# Allegro board pc065a_toplevel_43_allrouted.brd (continued)
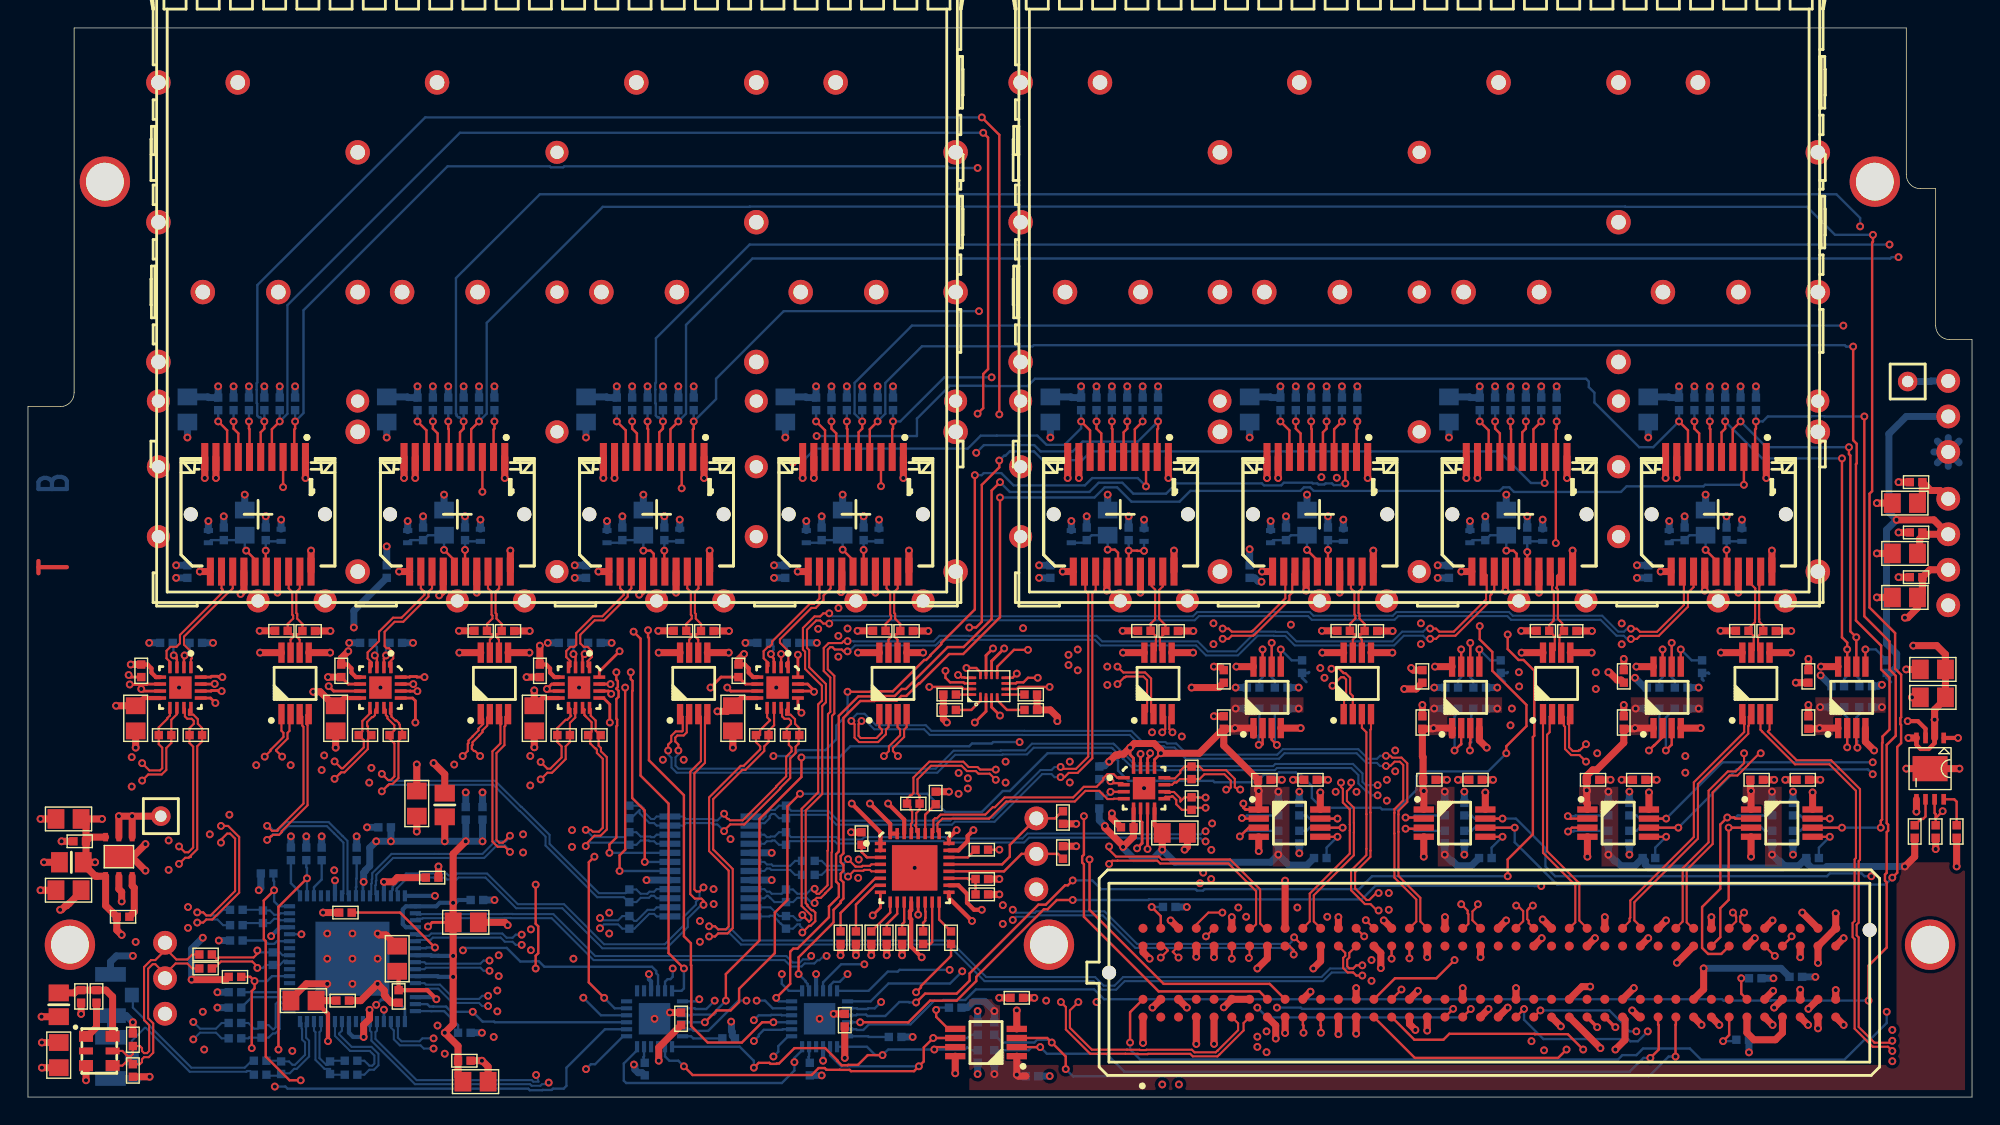
[diagram p0: board, top side]
## Routing (per net, layer and track width the routed paths; a pad name or vN(x,y) marks a point on that pad's centre or on a via; arc(x,y) is an arc through that point) (continued)
REC_CLK_FPGA_N: length 18.9
  TOP w0.15: v1(85.67,22) 85.85,22 86,22.15 86,22.64 85.54,23.1 84.11,23.1 83.76,22.75 R97.1 82.36,22.75 82.12,22.51 81.97,22.51 81.81,22.35 IC13.11 ; J10.H5 v1(84.23,11.5)
  L4 w0.15: v1(85.67,22) 85.67,21.83 85.97,21.52 85.97,19.14 85.67,18.84 85.67,15.34 83.89,13.55 83.89,12.97 84.16,12.7 84.5,12.42 84.59,11.89 84.34,11.52 v1(84.23,11.5)
REC_CLK_FPGA_P: length 20.9
  TOP w0.15: J10.H4 83.53,12.34 84.4,13.2 v1(85.4,13.2) ; v1(86.68,22) 86.6,21.98 86.29,22.17 86.29,22.76 85.66,23.39 84.03,23.39 83.77,23.65 R97.2 82.7,23.65 82.39,23.34 82.39,23.19 82,22.8 81.3,22.8 IC13.12
  L4 w0.15: v1(86.68,22) 86.28,21.61 86.28,19.01 85.98,18.71 85.98,15.21 84.2,13.42 84.2,13.1 84.37,12.93 84.67,12.68 84.7,12.7 84.83,12.73 85.12,13.15 v1(85.4,13.2)
RST_I2C_B: length 54.8
  TOP w0.17: v1(67.1,30.7) 67.8,30.7 68.1,30.4 IC21.12
  L4 w0.17: v1(67.1,30.7) 67.53,30.27 67.53,27.57 66.47,26.52 66.47,26.38 62.88,22.77 62.88,16.18 63.3,15.76 63.3,13.44 63.12,13.27 63.12,12.83 63.3,12.66 63.3,10.2 62.5,9.4 62.5,7.74 61.88,7.12 61.88,6.67 58.53,3.33 58.18,3.33 57.71,2.85 57.34,2.85 57.07,3.12 56.63,3.12 56.36,2.85 55.15,2.85 v1(54.8,2.5)
  BOTTOM w0.17: IC10.24 55.35,3.35 54.8,2.8 v1(54.8,2.5) 54.8,1.9 53.91,1.01 42.77,1.01 42.6,1.18 42.6,2.4 43.55,3.35 IC23.24
RST_I2C_B_CVCC: length 42.3
  TOP w0.17: IC21.9 69.3,30.8 70.5,32 v1(71.5,32) ; J10.D9 88.78,8.1 81.2,8.1 75.9,13.4 v1(75.9,17)
  L4 w0.17: v1(75.9,17) 75.9,17.49 75.74,17.65 75.74,17.9 74.42,19.22 74.42,21.7 75.01,22.29 75.01,24.59 70.17,29.42 70.17,30.52 70.7,31.04 70.7,31.83 70.87,32 v1(71.5,32)
SFP_FAULT<0>: length 128.7
  TOP w0.17: v1(19.1,48.35) 19.1,47.83 19.04,47.77 J7.2
  L4 w0.17: v1(59.8,9.5) 59.8,9.9 59.77,9.93 59.77,10.36 60,10.59 60,12.66 59.88,12.78 59.88,13.22 60,13.34 60,19.8 60.98,20.77 60.98,21.22 62.22,22.46 62.22,23.05 63.9,24.73 63.9,30 64.22,30.32 64.22,31.12 64.9,31.8 64.9,34.8 65.2,35.1 65.2,62.98 67.9,65.68 v1(67.9,66.48)
  BOTTOM w0.17: IC10.10 56.85,8.21 58.14,9.5 v1(59.8,9.5) ; R24.2 v1(19.1,48.35) 19.7,48.95 19.7,56.3 30,66.6 37.31,66.6 37.38,66.53 38.27,66.53 38.34,66.6 65.74,66.6 65.86,66.48 v1(67.9,66.48)
SFP_FAULT<1>: length 66.2
  TOP w0.17: v1(33.35,48.35) 33.35,47.83 33.29,47.77 J12.2
  L3 w0.17: v1(39,9.9) 55,9.9 55.5,9.4 58,9.4 v1(58.6,8.8)
  L4 w0.17: v1(39,9.9) 39,10.39 38.9,10.49 38.9,11.6 33.35,17.15 33.35,17.94 33.36,17.95 33.36,22.15 33.35,22.16 v1(33.35,48.35)
  BOTTOM w0.17: IC10.11 57.35,8 57.6,8.25 58.05,8.25 v1(58.6,8.8) ; R36.2 v1(33.35,48.35)
SFP_FAULT<2>: length 86.7
  TOP w0.17: J16.2 47.54,47.77 47.6,47.83 v1(47.6,48.35)
  L4 w0.17: v1(65.9,9.1) 66.25,9.45 66.46,9.45 66.64,9.63 66.64,16.99 65,18.64 65,22.85 66.19,24.05 66.25,24.05 68.4,26.2 68.4,31.49 68.14,31.75 68.14,32.45 68.4,32.71 68.4,48.66 68.42,48.68 68.42,49.12 68.4,49.14 68.4,50.2 68.1,50.5 68.1,55.64 68,55.74 v1(68,56.23)
  BOTTOM w0.17: v1(65.9,9.1) 62.32,9.1 62.19,8.97 61.48,8.97 60.1,7.6 IC10.12 ; v1(68,56.23) 54.03,56.23 49.2,51.4 49.2,49.95 v1(47.6,48.35) R44.2
SFP_FAULT<3>: length 65.8
  TOP w0.17: J20.2 61.79,47.77 61.85,47.83 v1(61.85,48.35)
  L4 w0.17: v1(66.8,9) 66.97,9.17 66.97,17.13 65.33,18.77 65.33,22.72 66.32,23.71 66.38,23.71 68.73,26.06 68.73,31.63 68.47,31.88 68.47,32.32 68.73,32.57 68.73,34.07 68.9,34.24 v1(68.9,51.5)
  BOTTOM w0.17: v1(68.9,51.5) 65.52,51.5 62.37,48.35 v1(61.85,48.35) R52.2 ; v1(66.8,9) 65.92,8.12 61.52,8.12 60.25,6.85 IC10.13
SFP_FAULT<4>: length 63.1
  TOP w0.17: v1(80.8,48.35) 80.8,47.83 80.74,47.77 J36.2
  L4 w0.17: v1(67.8,46.1) 67.1,45.4 67.1,42.5 67.5,42.1 67.5,35.6 65.23,33.33 65.23,31.07 64.78,30.62 64.78,30.18 64.97,29.99 64.97,25.34 62.55,22.91 62.55,22.05 62.02,21.52 62.02,14.82 60.88,13.68 60.88,13.27 60.92,13.22 60.92,12.78 60.88,12.73 60.88,9.93 61,9.8 v1(61,6.8)
  BOTTOM w0.17: v1(67.8,46.1) 68.35,46.65 71.95,46.65 72.4,46.2 74.7,46.2 75.4,46.9 79.35,46.9 v1(80.8,48.35) R125.2 ; IC10.14 59.27,6.35 59.32,6.3 60.03,6.3 60.08,6.35 60.55,6.35 v1(61,6.8)
SFP_FAULT<5>: length 97.4
  TOP w0.17: J32.2 94.99,47.77 95.05,47.83 v1(95.05,48.35) ; v1(105.8,15.8) 105.8,17 107.6,18.8 107.6,25.76 107.7,25.86 107.7,30.51 106.93,31.27 106.58,31.27 105.8,32.05 v1(105.8,33.1) ; v1(63.5,6.77) 63.7,6.98 63.72,6.98 64.14,7.4 66.4,7.4 67.33,8.32 67.33,8.84 72.25,13.77 72.76,13.77 74.15,15.15 74.35,15.15 v1(74.7,15.5)
  L4 w0.17: v1(105.8,33.1) 105.31,33.1 105.21,33 103.51,33 99.98,36.53 99.03,36.53 98.41,37.16 98.41,38.04 98.7,38.34 98.7,45.8 96.15,48.35 v1(95.05,48.35)
  BOTTOM w0.17: v1(105.8,15.8) 96.1,15.8 95.17,14.88 84.12,14.88 84.02,14.78 83.58,14.78 83.48,14.88 76.72,14.88 76.1,15.5 v1(74.7,15.5) ; R117.2 v1(95.05,48.35) ; v1(63.5,6.77) 63.01,6.77 62.98,6.8 62.3,6.8 61.3,5.8 60.02,5.8 59.92,5.9 59.27,5.9 59.22,5.85 IC10.15
SFP_FAULT<6>: length 88.3
  TOP w0.17: v1(109.3,48.35) 109.3,47.83 109.24,47.77 J28.2 v1(109.24,39.64) ; v1(74.7,14.1) 73.57,14.1 72.9,13.44 72.64,13.44 67.8,8.6 67.8,8.3 66.4,6.9 64.5,6.9 62.95,5.35 v1(59.5,5.35)
  L4 w0.17: v1(108.2,15.1) 108.2,22.9 109.24,23.94 v1(109.24,39.64)
  BOTTOM w0.17: v1(108.2,15.1) 107.71,15.1 107.68,15.12 96.35,15.12 95.37,14.14 80.15,14.14 80.1,14.1 v1(74.7,14.1) ; R109.2 v1(109.3,48.35) ; IC10.16 v1(59.5,5.35)
SFP_FAULT<7>: length 129.6
  TOP w0.17: v1(123.55,48.35) 123.55,47.83 123.49,47.77 J24.2 ; v1(131.6,6.9) 131.6,9.4 132.9,10.7 132.9,15.36 132.78,15.48 132.78,15.92 132.9,16.04 132.9,18.96 133,19.06 133,19.49 132.9,19.59 132.9,25.2 133.54,25.84 133.54,30.14 133.1,30.58 133.1,32.6 131.3,34.4 v1(131.3,48.7)
  BOTTOM w0.17: IC10.17 59.22,4.85 59.27,4.8 59.73,4.8 60.13,5.2 63.1,5.2 64.8,6.9 65.4,6.9 65.45,6.95 67.01,6.95 67.77,7.7 76.24,7.7 76.94,7 121.13,7 121.23,6.9 124.61,6.9 124.63,6.93 125.07,6.93 125.09,6.9 v1(131.6,6.9) ; v1(131.3,48.7) 128.46,48.7 128.44,48.72 127.51,48.72 127.49,48.7 124.4,48.7 124.04,48.35 v1(123.55,48.35) R101.2
SFP_I2C_SCL<0>: length 149.1
  TOP w0.17: v1(68.2,70.1) 69.45,68.85 v1(69.45,48.85) ; v1(16.9,48.35) 16.9,47.83 16.64,47.57 J7.5 ; IC12.7 v1(93.63,19.93)
  L3 w0.17: v1(69.45,48.85) 70.48,47.82 83.86,47.82 84.76,48.72 88.12,48.72 v1(92.48,44.36)
  L4 w0.17: v1(93.63,19.93) 94.42,19.93 95.6,21.1 95.6,37.9 95.2,38.3 94.6,38.3 93.53,39.38 93.53,42.91 93.27,43.16 93.27,43.43 92.83,43.87 92.83,44.01 v1(92.48,44.36)
  BOTTOM w0.17: R27.1 v1(16.9,48.35) 16.61,48.64 16.51,48.64 16.39,48.76 16.39,49.62 16.36,49.65 16.36,50.62 16.35,50.63 16.35,51.08 16.4,51.13 16.4,58.1 28.4,70.1 v1(68.2,70.1) ; R140.1 91.41,20.15 91.64,19.93 v1(93.63,19.93)
SFP_I2C_SCL<1>: length 198.9
  TOP w0.17: IC14.7 v1(105.43,19.93) ; v1(31.15,48.35) 31.15,47.83 30.89,47.57 J12.5
  L4 w0.17: v1(131.8,15.8) 131.8,16.69 131.28,17.22 131.28,23.12 131.38,23.22 131.38,29.38 131.7,29.7 131.7,30.27 132,30.57 132,32.5 131.2,33.3 131.2,48.06 130.78,48.48 130.78,51.58 131,51.8 131,53.46 131.03,53.48 131.03,53.92 131,53.94 v1(131,62.3)
  BOTTOM w0.17: v1(131,62.3) 131,62.9 129.3,64.6 36.6,64.6 30.6,58.6 30.6,48.9 30.64,48.86 30.64,48.76 30.76,48.64 30.86,48.64 v1(31.15,48.35) R39.1 ; R145.1 103.21,20.15 103.44,19.93 v1(105.43,19.93) 106.39,19.93 108.5,17.82 108.5,16.5 109.2,15.8 128.63,15.8 128.83,16.01 131.1,16.01 131.31,15.8 v1(131.8,15.8)
SFP_I2C_SCL<2>: length 160.1
  TOP w0.17: v1(45.4,48.35) 45.4,47.83 45.14,47.57 J16.5 ; IC15.7 v1(117.13,19.93)
  L4 w0.17: v1(133.1,61) 133.1,55.2 131.67,53.77 131.67,49.07 131.82,48.92 131.82,48.48 131.67,48.33 131.67,33.5 132.4,32.77 132.4,30.5 132.03,30.13 132.03,27.17 132.5,26.7 132.5,25.04 132.53,25.02 132.53,24.09 132.39,23.95 v1(131.9,23.95)
  BOTTOM w0.17: v1(131.9,23.95) 121.16,23.95 v1(117.13,19.93) 115.24,19.93 115.01,20.15 R150.1 ; R47.1 v1(45.4,48.35) 45.11,48.64 45.01,48.64 44.89,48.76 44.89,49.62 44.85,49.65 44.85,50.62 44.85,50.63 44.85,51.08 44.9,51.13 44.9,54.3 51.6,61 v1(133.1,61)
SFP_I2C_SCL<3>: length 118.7
  TOP w0.17: IC16.7 v1(128.83,19.93) ; v1(59.65,48.35) 59.65,47.83 59.39,47.57 J20.5
  L4 w0.17: v1(129.8,55.2) 129.1,54.5 129.1,42.1 129.4,41.8 129.4,20.5 v1(128.83,19.93)
  BOTTOM w0.17: v1(128.83,19.93) 126.94,19.93 126.71,20.15 R155.1 ; R55.1 v1(59.65,48.35) 59.1,48.9 59.1,51.1 63.2,55.2 v1(129.8,55.2)
SFP_I2C_SCL<4>: length 27.8
  TOP w0.17: 88.28,30.8 v1(88.28,32.03) ; v1(78.6,48.35) 78.6,47.83 78.34,47.57 J36.5
  L4 w0.17: v1(88.28,32.03) 82.47,37.84 82.47,39.32 80.5,41.29 80.5,46.45 v1(78.6,48.35)
  BOTTOM w0.17: v1(88.28,32.03) 88.28,30.04 88.05,29.81 R160.1 ; R128.1 v1(78.6,48.35)
SFP_I2C_SCL<5>: length 28.1
  TOP w0.17: J32.5 92.59,47.57 92.85,47.83 v1(92.85,48.35) ; IC18.7 v1(102.47,32.03)
  L4 w0.17: v1(102.47,32.03) 102.47,32.62 99.89,35.2 99.43,35.2 97.07,37.56 97.07,39.63 94.91,41.79 94.91,46.29 v1(92.85,48.35)
  BOTTOM w0.17: v1(102.47,32.03) 102.47,30.04 102.25,29.81 R165.1 ; R120.1 v1(92.85,48.35)
SFP_I2C_SCL<6>: length 27.9
  TOP w0.17: J28.5 106.84,47.57 107.1,47.83 v1(107.1,48.35) ; IC19.7 v1(116.88,32.03)
  L4 w0.17: v1(116.88,32.03) 116.88,33.66 109,41.53 109,44.3 108.7,44.6 108.7,46.75 v1(107.1,48.35)
  BOTTOM w0.17: v1(116.88,32.03) 116.88,30.04 116.65,29.81 R170.1 ; R112.1 v1(107.1,48.35)
SFP_I2C_SCL<7>: length 30.7
  TOP w0.17: v1(121.35,48.35) 121.35,47.83 121.09,47.57 J24.5 ; IC20.7 v1(130.07,32.03) 130.07,32.52 129.7,32.9 v1(129.7,45.7)
  BOTTOM w0.17: R175.1 129.85,29.91 130.07,30.14 v1(130.07,32.03) ; v1(129.7,45.7) 124,45.7 v1(121.35,48.35) R104.1
SFP_I2C_SDA<0>: length 147.9
  TOP w0.17: IC12.6 v1(94,19.27) ; J7.4 17.44,47.79 v1(18,48.35) ; v1(68.3,69) 68.65,68.65 68.65,52.09 68.3,51.74 68.3,49.3 v1(67.9,48.9)
  L3 w0.17: v1(93.58,44.31) 93.1,43.84 91.06,43.84 88.4,46.5 85.71,46.5 85.69,46.48 73.02,46.48 72.3,47.2 69.6,47.2 v1(67.9,48.9)
  L4 w0.17: v1(94,19.27) 94.88,19.27 96.1,20.5 96.1,21.25 95.97,21.37 95.97,25.38 96.1,25.5 96.1,35.04 96.08,35.06 96.08,35.94 96.1,35.96 96.1,38.45 94.58,39.98 94.58,42.33 93.6,43.3 93.6,43.8 93.58,43.82 v1(93.58,44.31)
  BOTTOM w0.17: R28.1 v1(18,48.35) 18.55,48.89 18.55,56.67 30.88,69 v1(68.3,69) ; R139.1 91.41,19.05 91.64,19.27 v1(94,19.27)
SFP_I2C_SDA<1>: length 196.9
  TOP w0.17: J12.4 31.69,47.79 v1(32.25,48.35) ; v1(133.3,15.7) 133.65,16.05 133.65,25.05 133.93,25.33 133.93,26.63 133.88,26.68 133.88,27.12 133.93,27.17 133.93,30.22 133.5,30.65 133.5,33.2 131.67,35.03 131.67,43.17 131.86,43.36 131.86,61.14 131.92,61.2 v1(131.92,61.7) ; IC14.6 v1(106.3,19.27)
  BOTTOM w0.17: R40.1 v1(32.25,48.35) 32.8,48.89 32.8,55.4 41.1,63.7 51.59,63.7 51.61,63.72 114.19,63.72 114.21,63.7 127.2,63.7 129.2,61.7 131.91,61.7 v1(131.92,61.7) ; v1(133.3,15.7) 132.8,15.2 109.33,15.2 106.3,18.23 v1(106.3,19.27) 103.44,19.27 103.21,19.05 R144.1
SFP_I2C_SDA<2>: length 159.3
  TOP w0.17: IC15.6 v1(118,19.27) ; v1(46.5,48.35) 45.94,47.79 J16.4
  L4 w0.17: v1(133.74,60.1) 133.74,54.74 132.9,53.9 132.9,41.54 132.93,41.52 132.93,41.08 132.9,41.06 132.9,30 133.08,29.82 133.08,27.28 132.9,27.1 132.9,23.27 132.73,23.1 v1(131.9,23.1)
  BOTTOM w0.17: R149.1 115.01,19.05 115.24,19.27 v1(118,19.27) 122.17,23.45 131.55,23.45 v1(131.9,23.1) ; R48.1 v1(46.5,48.35) 47.05,48.89 47.05,55.25 51.8,60 133.15,60 133.25,60.1 v1(133.74,60.1)
SFP_I2C_SDA<3>: length 121.2
  TOP w0.17: IC16.6 v1(129.7,19.27) ; v1(60.75,48.35) 60.19,47.79 J20.4 ; v1(130.5,53.7) 130.5,47 130.75,46.74 130.75,45.35 130.7,45.29 130.7,34.1 132.5,32.3 132.5,30.6 133.1,30 133.1,26.3 132.6,25.8 132.6,25.37 132.57,25.34 132.57,19.86 132.47,19.77 v1(132.47,19.27)
  BOTTOM w0.17: R56.1 v1(60.75,48.35) 61.3,48.89 61.3,51.1 63.92,53.72 71.83,53.72 71.91,53.8 129.91,53.8 130.01,53.7 v1(130.5,53.7) ; R154.1 126.71,19.05 126.94,19.27 v1(129.7,19.27) v1(132.47,19.27)
SFP_I2C_SDA<4>: length 28.6
  TOP w0.17: IC17.6 v1(88.92,32.5) ; J36.4 79.14,47.79 v1(79.7,48.35)
  L4 w0.17: v1(88.92,32.5) 88.58,32.85 87.95,32.85 82.8,38 82.8,39.5 80.9,41.4 80.9,47.15 v1(79.7,48.35)
  BOTTOM w0.17: R159.1 89.15,29.81 88.92,30.04 v1(88.92,32.5) ; R129.1 v1(79.7,48.35)
SFP_I2C_SDA<5>: length 28.5
  TOP w0.17: J32.4 93.39,47.79 v1(93.95,48.35) ; IC18.6 v1(103.12,32.5)
  L4 w0.17: v1(93.95,48.35) 93.95,47.71 95.23,46.43 95.23,41.93 97.4,39.77 97.4,37.7 98.89,36.2 99.36,36.2 102.71,32.85 102.78,32.85 v1(103.12,32.5)
  BOTTOM w0.17: R121.1 v1(93.95,48.35) ; R164.1 103.35,29.81 103.12,30.04 v1(103.12,32.5)
SFP_I2C_SDA<6>: length 28.3
  TOP w0.17: IC19.6 v1(117.53,32.5) ; v1(108.2,48.35) 107.64,47.79 J28.4
  L4 w0.17: v1(108.2,48.35) 109.33,47.22 109.33,41.67 117.53,33.48 v1(117.53,32.5)
  BOTTOM w0.17: v1(117.53,32.5) 117.53,30.04 117.75,29.81 R169.1 ; R113.1 v1(108.2,48.35)
SFP_I2C_SDA<7>: length 31.6
  TOP w0.17: v1(122.45,48.35) 121.89,47.79 J24.4 ; 130.72,30.8 v1(130.72,32.9) 130.3,33.33 130.3,45.91 130.2,46.01 v1(130.2,46.5)
  BOTTOM w0.17: v1(130.2,46.5) 128.46,46.5 128.44,46.48 127.51,46.48 127.49,46.5 124.3,46.5 v1(122.45,48.35) R105.1 ; v1(130.72,32.9) 130.72,30.14 130.95,29.91 R174.1
SFP_LOS<0>: length 88.7
  TOP w0.17: J7.8 14.24,47.71 v1(13.6,48.35)
  L3 w0.17: v1(7.7,11.1) 8.9,9.9 17.3,9.9 18.2,9 25.6,9 27.1,10.5 28.56,10.5 28.88,10.18 29.32,10.18 29.99,10.85 30.75,10.85 v1(31.1,10.5)
  L4 w0.17: v1(13.6,48.35) 9.65,48.35 6.25,44.95 6.25,28.69 5.78,28.22 5.78,27.78 5.97,27.58 5.97,13.53 7.22,12.28 7.22,11.58 v1(7.7,11.1)
  BOTTOM w0.17: IC23.10 45.05,8.73 44.92,8.86 44.92,9.02 44.62,9.33 36.92,9.33 36.52,9.72 36.08,9.72 36.06,9.7 35.2,9.7 34.23,10.67 31.27,10.67 v1(31.1,10.5) ; R25.2 v1(13.6,48.35)
SFP_LOS<1>: length 72.2
  TOP w0.17: J12.8 28.49,47.71 v1(27.85,48.35) ; v1(36.3,15.2) 36.3,12.4 36.48,12.22 36.48,10.29 36.3,10.11 v1(36.3,9.2)
  L3 w0.17: v1(36.3,9.2) 36.42,9.33 44.62,9.33 44.74,9.2 v1(46.1,9.2) ; v1(36.3,15.2) 34.7,15.2 34.4,15.5 29.4,15.5 29.1,15.8 26.6,15.8 26.2,16.2 22.42,16.2 22.39,16.23 v1(21.9,16.23)
  L4 w0.17: v1(27.85,48.35) 26.06,48.35 22.4,44.69 22.4,32.14 22.38,32.12 22.38,31.68 22.4,31.66 22.4,25.34 22.52,25.22 22.52,24.78 22.4,24.66 22.4,24.28 22.45,24.23 22.45,16.78 v1(21.9,16.23)
  BOTTOM w0.17: v1(46.1,9.2) 46.1,8.6 45.93,8.43 45.73,8.43 45.55,8.25 IC23.11 ; R37.2 v1(27.85,48.35)
SFP_LOS<2>: length 47.4
  TOP w0.17: v1(43.3,33.3) 43.8,32.8 43.8,23 45.8,21 45.8,10.3 v1(46.9,9.2) ; v1(42.1,48.35) 42.74,47.71 J16.8
  L4 w0.17: v1(43.3,33.3) 42.9,33.7 42.9,35.89 43.3,36.29 43.3,47.15 v1(42.1,48.35)
  BOTTOM w0.17: IC23.12 46.73,7.6 46.9,7.77 v1(46.9,9.2) ; R45.2 v1(42.1,48.35)
SFP_LOS<3>: length 49.9
  TOP w0.17: J20.8 56.99,47.71 v1(56.35,48.35)
  L4 w0.17: v1(48,7) 48,9.5 49.6,11.1 49.6,16.2 50.8,17.4 50.8,24.66 50.92,24.78 50.92,25.22 50.8,25.34 50.8,31.35 50.67,31.48 50.67,31.92 50.8,32.05 50.8,32.25 50.77,32.28 50.77,32.72 50.8,32.75 50.8,35.04 50.82,35.06 50.82,42.32 55.87,47.37 55.87,47.86 v1(56.35,48.35)
  BOTTOM w0.17: IC23.13 47.85,6.85 v1(48,7) ; R53.2 v1(56.35,48.35)
SFP_LOS<4>: length 70.1
  TOP w0.17: v1(75.3,48.35) 75.94,47.71 J36.8
  L4 w0.17: v1(49.1,6.9) 49.1,8.57 51.67,11.14 51.67,31.43 51.73,31.48 51.73,31.92 51.67,31.97 51.67,32.13 51.83,32.28 51.83,32.72 51.67,32.87 51.67,38.18 53.27,39.78 53.27,40.85 53,41.12 53,43.7 v1(54.7,45.4)
  BOTTOM w0.17: v1(49.1,6.9) 48.5,6.3 47.72,6.3 47.67,6.35 IC23.14 ; v1(54.7,45.4) 55.3,45.4 56.3,46.4 67.2,46.4 68.13,47.32 69.26,47.32 69.26,47.33 72.17,47.33 72.83,46.67 74.12,46.67 75.3,47.85 v1(75.3,48.35) R126.2
SFP_LOS<5>: length 87.4
  TOP w0.17: v1(55.3,24.3) 55.3,22.9 52.3,19.9 52.3,11.2 49.9,8.8 v1(49.9,6.9) ; J32.8 90.19,47.71 v1(89.55,48.35)
  L3 w0.17: v1(71.15,33.55) 72.03,34.42 89.17,34.42 89.8,33.8 v1(90.3,33.8)
  L4 w0.17: v1(71.15,33.55) 70.33,32.73 70.33,31.88 69.5,31.06 69.5,29.2 70.9,27.8 v1(70.9,25.4) ; v1(89.55,48.35) 89.92,47.98 89.92,42.26 89.42,41.77 89.42,34.67 v1(90.3,33.8)
  BOTTOM w0.17: R118.2 v1(89.55,48.35) ; v1(70.9,25.4) 69.01,25.4 68.91,25.3 67.5,25.3 67.3,25.1 58.8,25.1 58,24.3 v1(55.3,24.3) ; IC23.15 47.47,5.85 47.52,5.9 49.06,5.9 49.18,6.03 49.18,6.18 v1(49.9,6.9)
SFP_LOS<6>: length 109.3
  TOP w0.17: v1(105.7,24.6) 105.7,25.1 107.14,26.54 107.14,28.06 104.7,30.5 104.7,31.85 103.8,32.75 v1(103.8,33.7) ; v1(55.2,21.7) 54.3,20.8 54.3,14.1 53.4,13.2 53.4,10.3 50.84,7.74 50.84,6.8 50.24,6.2 49.25,6.2 v1(48.4,5.35) ; v1(103.8,48.35) 104.44,47.71 J28.8
  L4 w0.17: v1(103.8,48.35) 104.17,47.98 104.17,44.08 103.67,43.59 103.67,41.34 103.8,41.21 v1(103.8,33.7)
  BOTTOM w0.17: IC23.16 v1(48.4,5.35) ; v1(105.7,24.6) 104.4,23.3 99.6,23.3 99.28,22.98 99.28,21.98 97.88,20.58 96.82,20.58 96.7,20.7 92.5,20.7 91.8,21.4 91.8,22.26 90.99,23.07 90.82,23.07 90.66,23.23 89.44,23.23 89.28,23.07 88.37,23.07 87.83,22.53 84.84,22.53 84.74,22.62 78.67,22.62 77.94,23.36 77.94,24.07 77.83,24.18 77.83,24.22 77.52,24.52 77.48,24.52 77.47,24.53 77.47,24.57 77.45,24.6 72.9,24.6 70.2,21.9 69.7,21.9 68.2,20.4 65.6,20.4 64.3,21.7 v1(55.2,21.7) ; R110.2 v1(103.8,48.35)
SFP_LOS<7>: length 119.5
  TOP w0.17: J24.8 118.69,47.71 v1(118.05,48.35)
  L4 w0.17: v1(56.39,47.3) 56.39,46.04 53.33,42.97 53.33,41.26 53.6,40.99 53.6,39.2 52,37.6 52,33.01 52.16,32.85 52.16,32.15 52.05,32.05 52.05,31.35 52,31.29 52,11 51.37,10.37 v1(51.37,6.9)
  BOTTOM w0.17: v1(51.37,6.9) 50.8,6.9 48.63,4.73 47.59,4.73 47.47,4.85 IC23.17 ; R102.2 v1(118.05,48.35) 116.2,46.5 115.2,46.5 112,49.7 112,50.4 111.6,50.8 111.6,51.2 111.4,51.4 72,51.4 71.47,50.88 68.48,50.88 68.46,50.9 65.91,50.9 63.56,48.55 63.56,47.3 v1(56.39,47.3)
SFP_TD_N: length 6.4
  TOP w0.15: J7.19 19.44,36.4 19.18,36.14 19.18,34.64 19.25,34.57 19.25,34.45 19.25,34.24 19.62,33.85 R23.1 19.39,33.12 19.25,33.12 19.25,32.91 19.43,32.73 U3.6
SFP_TD_N_1: length 6.4
  TOP w0.15: U4.6 33.67,32.73 33.5,32.91 33.5,33.12 33.64,33.12 R35.1 33.87,33.85 33.5,34.24 33.5,34.45 33.5,34.57 33.44,34.64 33.44,36.14 33.69,36.4 J12.19
SFP_TD_N_2: length 6.4
  TOP w0.15: J16.19 47.94,36.4 47.69,36.14 47.69,34.64 47.75,34.57 47.75,34.45 47.75,34.24 48.12,33.85 R43.1 47.89,33.12 47.74,33.12 47.74,32.91 47.92,32.73 47.92,31.8
SFP_TD_N_3: length 6.4
  TOP w0.15: J20.19 62.19,36.4 61.94,36.14 61.94,34.64 62,34.57 62,34.45 62,34.24 62.37,33.85 R51.1 62.14,33.12 61.99,33.12 61.99,32.91 62.17,32.73 U6.6
SFP_TD_N_4: length 6.2
  TOP w0.15: J24.19 123.89,36.69 123.79,36.59 123.79,36.1 123.78,36.08 123.78,34.2 123.79,34.19 123.79,34.01 124.07,33.73 R100.1 123.7,32.98 123.7,31.98 U7.6
SFP_TD_N_5: length 6.4
  TOP w0.15: U8.6 109.5,31.92 109.5,33.03 R108.1 109.7,33.48 109.7,33.9 109.54,34.06 109.54,34.07 109.39,34.22 109.39,36.31 109.26,36.44 109.33,36.5 109.33,37.29 J28.19
SFP_TD_N_6: length 6.4
  TOP w0.15: J32.19 95.39,36.4 95.14,36.14 95.14,34.64 95.2,34.57 95.2,34.45 95.2,34.24 95.57,33.85 R116.1 95.34,33.12 95.19,33.12 95.19,32.91 95.38,32.73 U9.6
SFP_TD_N_7: length 6.3
  TOP w0.15: J36.19 81.14,36.54 80.88,36.28 80.88,34.4 80.88,34.23 81.32,33.77 R124.1 81.32,33.22 80.94,32.84 80.94,31.99 U10.6